# KiCad board HX711.kicad_pcb (continued)
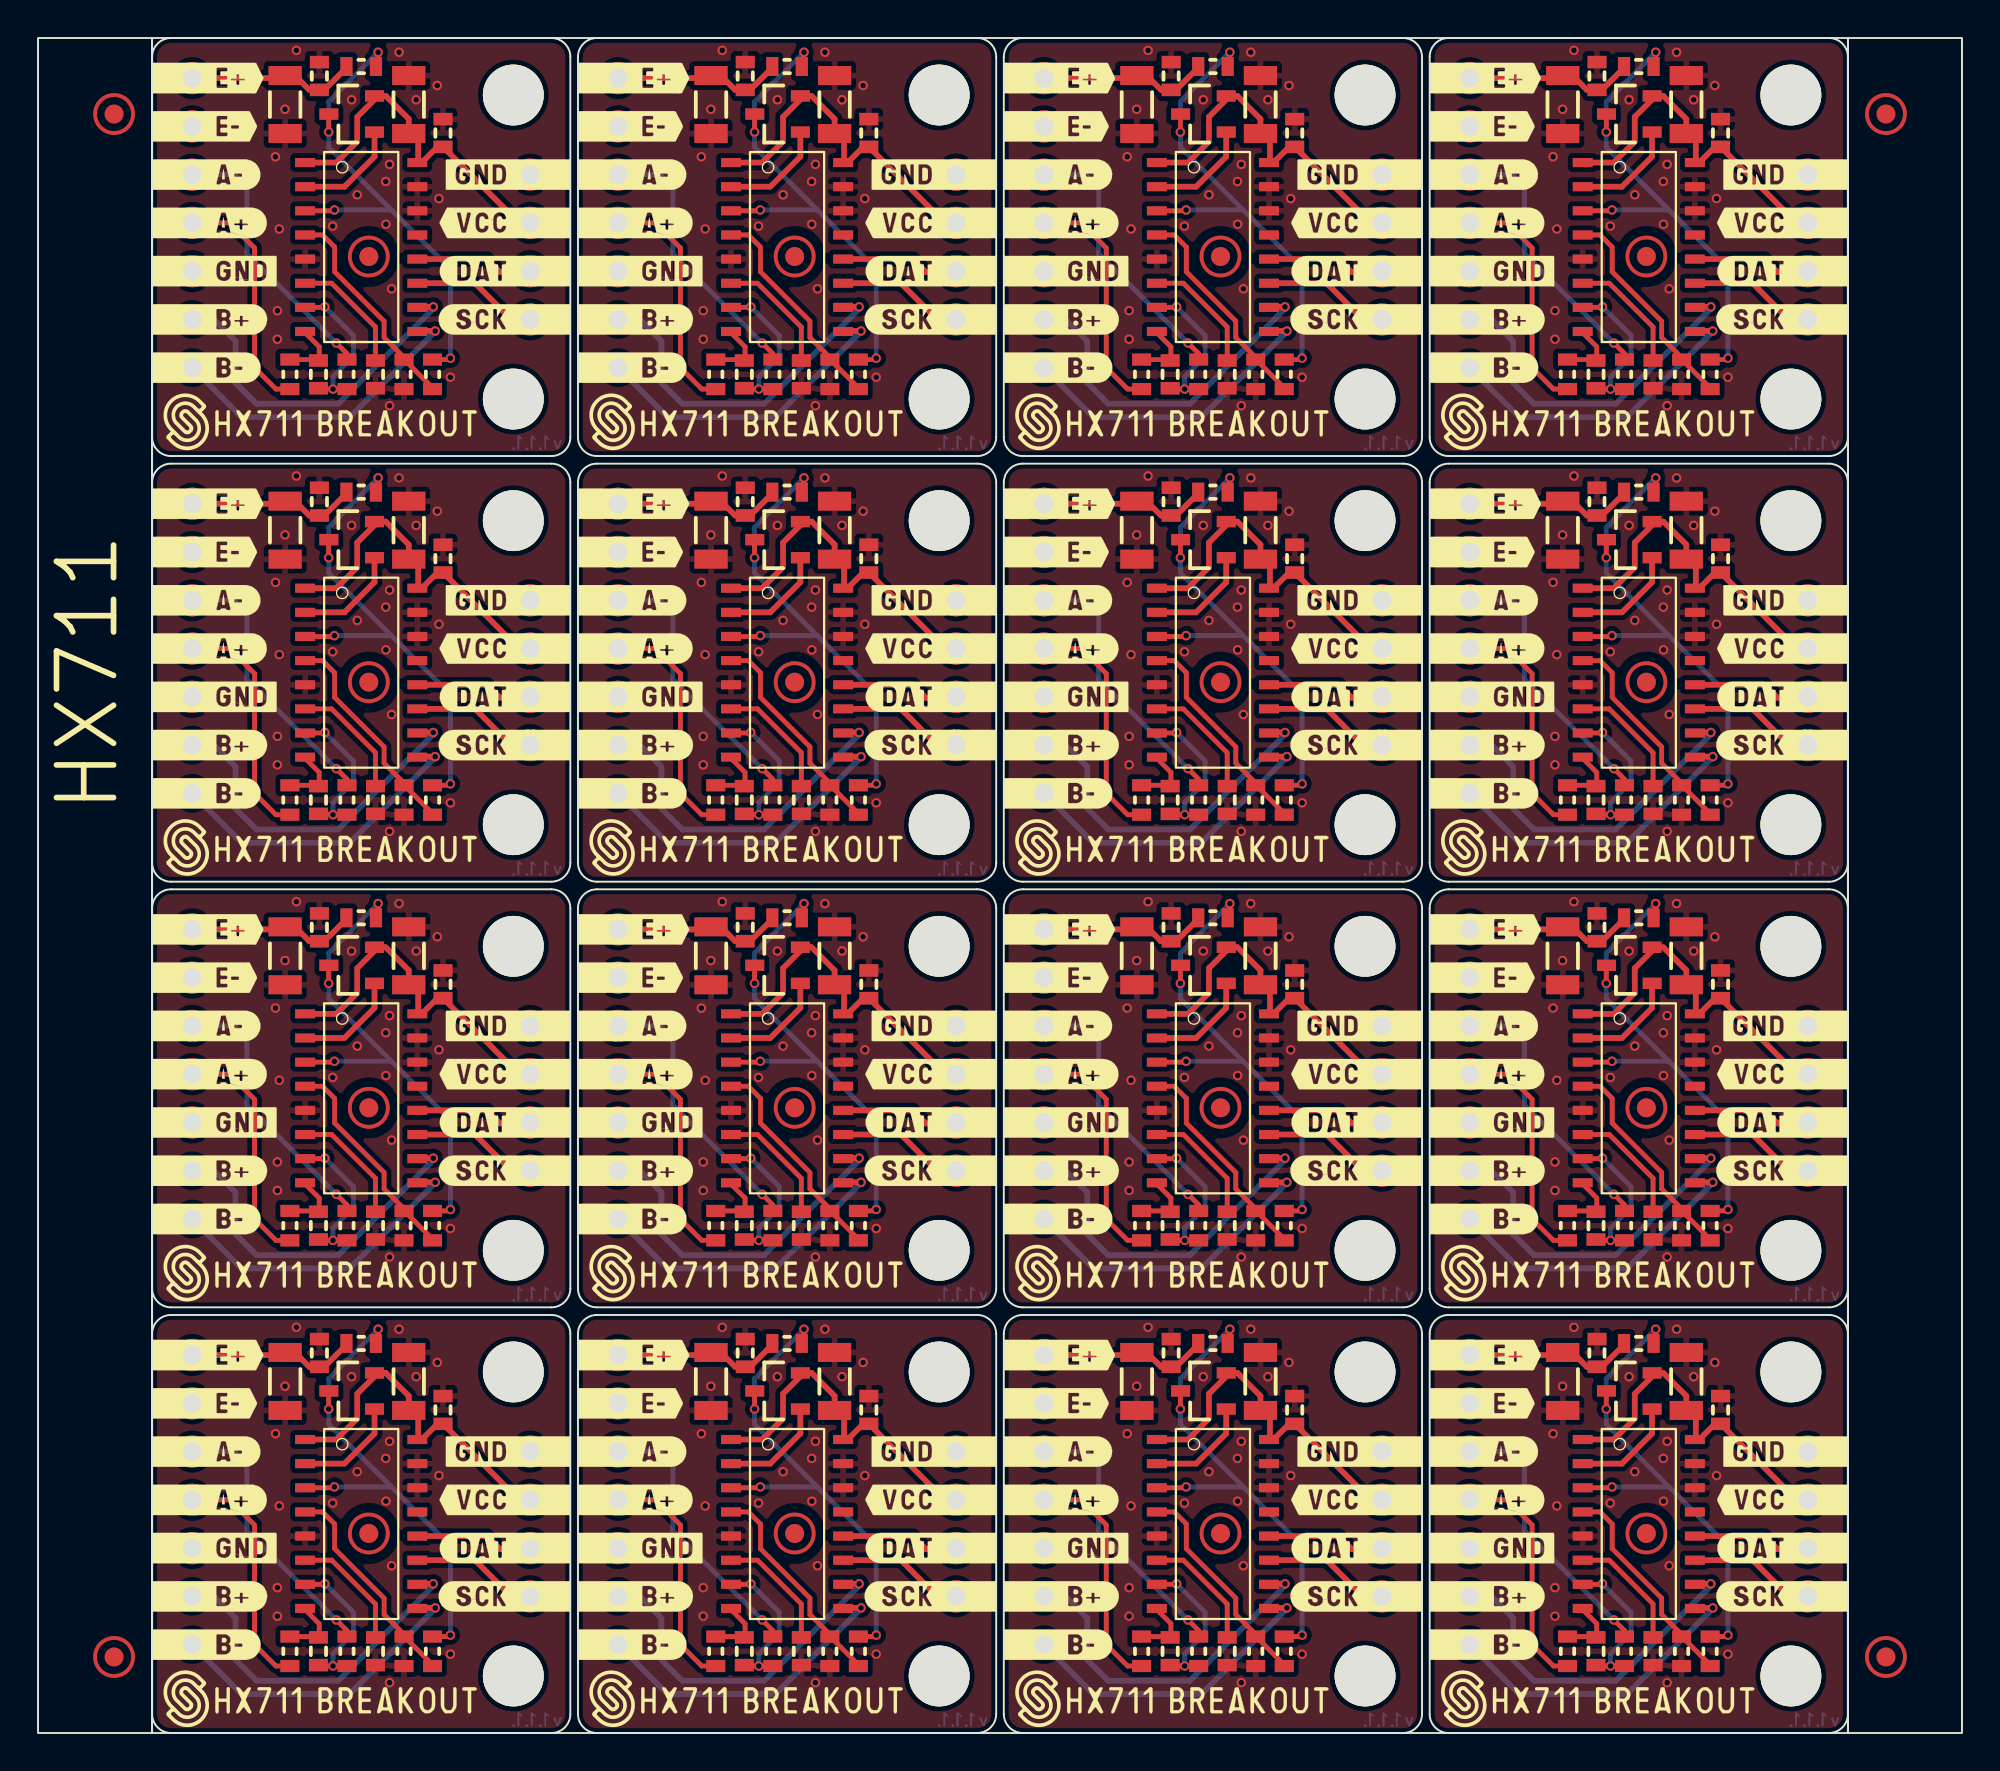
[diagram p0: board, top side]
## Routing (per net, layer and track width the routed paths; a pad name or vN(x,y) marks a point on that pad's centre or on a via; arc(x,y) is an arc through that point) (continued)
Net-(K1-Pad2): length 199.2
  Top w0.254: R2#6.2 57.31,48.33 56.19,49.45 56.19,55.75 54.87,57.07 K1#12.2 ; K1#5.2 54.87,34.67 56.19,33.35 56.19,27.05 57.31,25.93 R2#16.2 ; K1.2 32.47,34.67 33.79,33.35 33.79,27.05 34.92,25.93 R2#10.2 ; K1#11.2 77.27,79.47 78.59,78.15 78.59,71.85 79.72,70.73 R2#5.2 ; R2#3.2 57.31,70.73 56.19,71.85 56.19,78.15 54.87,79.47 K1#10.2 ; K1#3.2 54.87,12.27 56.19,10.95 56.19,4.65 57.31,3.53 R2#12.2 ; R2#4.2 79.72,3.53 78.59,4.65 78.59,10.95 77.27,12.27 K1#6.2 ; K1#7.2 32.47,79.47 33.79,78.15 33.79,71.85 34.92,70.73 R2#7.2 ; R2#15.2 34.92,48.33 33.79,49.45 33.79,55.75 32.47,57.07 K1#15.2 ; R2#9.2 12.52,25.93 11.39,27.05 11.39,33.35 10.07,34.67 K1#16.2 ; R2#13.2 12.52,48.33 11.39,49.45 11.39,55.75 10.07,57.07 K1#8.2 ; R2#2.2 79.72,25.93 78.59,27.05 78.59,33.35 77.27,34.67 K1#13.2 ; R2.2 12.52,3.53 11.39,4.65 11.39,10.95 10.07,12.27 K1#2.2 ; K1#4.2 32.47,12.27 33.79,10.95 33.79,4.65 34.92,3.53 R2#14.2 ; K1#9.2 10.07,79.47 11.39,78.15 11.39,71.85 12.52,70.73 R2#8.2 ; K1#14.2 77.27,57.07 78.59,55.75 78.59,49.45 79.72,48.33 R2#11.2
Net-(K1-Pad3): length 230.5
  Top w0.254: v1(38.09,73.15) 38.65,72.59 R1#4.2 ; v1(60.49,5.95) 61.05,5.39 R1#13.2 ; v1(82.89,73.15) 83.45,72.59 R1#9.2 ; v1(60.49,73.15) 61.05,72.59 R1#2.2 ; R1.2 38.65,27.79 v1(38.09,28.35) ; v1(38.09,5.95) 38.65,5.39 R1#6.2 ; v1(82.89,28.35) 83.45,27.79 R1#3.2 ; R1#7.2 61.05,27.79 v1(60.49,28.35) ; R1#5.2 16.25,5.39 v1(15.69,5.95) ; R1#14.2 16.25,27.79 v1(15.69,28.35) ; R1#16.2 83.45,50.19 v1(82.89,50.75) ; v1(38.09,50.75) 38.65,50.19 R1#15.2 ; R1#8.2 61.05,50.19 v1(60.49,50.75) ; v1(15.69,50.75) 16.25,50.19 R1#10.2 ; v1(82.89,5.95) 83.45,5.39 R1#12.2 ; v1(15.69,73.15) 16.25,72.59 R1#11.2
  Bottom w0.254: v1(82.89,73.15) 78.19,77.85 78.19,81.35 77.53,82.01 K1#11.3 ; K1#13.3 77.53,37.21 78.19,36.55 78.19,33.05 v1(82.89,28.35) ; K1#5.3 55.13,37.21 55.79,36.55 55.79,33.05 v1(60.49,28.35) ; v1(60.49,50.75) 55.79,55.45 55.79,58.95 55.13,59.61 K1#12.3 ; K1#3.3 55.13,14.81 55.79,14.15 55.79,10.65 v1(60.49,5.95) ; v1(38.09,50.75) 33.39,55.45 33.39,58.95 32.73,59.61 K1#15.3 ; K1#10.3 55.13,82.01 55.79,81.35 55.79,77.85 v1(60.49,73.15) ; K1#7.3 32.73,82.01 33.39,81.35 33.39,77.85 v1(38.09,73.15) ; v1(82.89,5.95) 78.19,10.65 78.19,14.15 77.53,14.81 K1#6.3 ; K1#2.3 10.33,14.81 10.99,14.15 10.99,10.65 v1(15.69,5.95) ; K1#9.3 10.33,82.01 10.99,81.35 10.99,77.85 v1(15.69,73.15) ; K1#14.3 77.53,59.61 78.19,58.95 78.19,55.45 v1(82.89,50.75) ; v1(38.09,5.95) 33.39,10.65 33.39,14.15 32.73,14.81 K1#4.3 ; K1#16.3 10.33,37.21 10.99,36.55 10.99,33.05 v1(15.69,28.35) ; K1.3 32.73,37.21 33.39,36.55 33.39,33.05 v1(38.09,28.35) ; v1(15.69,50.75) 10.99,55.45 10.99,58.95 10.33,59.61 K1#8.3
Net-(K2-Pad1): length 267.2
  Top w0.3: v1(65.69,28.98) 64.78,28.98 U1#4.9 ; U1#14.9 87.18,28.98 v1(88.09,28.98) ; v1(43.29,28.98) 42.38,28.98 U1#8.9 ; 87.15,73.76 87.18,73.78 v1(88.09,73.78) ; v1(65.69,73.78) 64.78,73.78 64.75,73.76 ; v1(88.09,51.38) 87.18,51.38 U1#7.9 ; v1(88.09,6.58) 87.18,6.58 U1.9 ; v1(43.29,6.58) 42.38,6.58 U1#16.9 ; U1#13.9 19.97,51.38 v1(20.89,51.38) ; 19.95,73.76 19.97,73.78 v1(20.89,73.78) ; v1(65.69,51.38) 64.78,51.38 U1#10.9 ; U1#3.9 64.78,6.58 v1(65.69,6.58) ; U1#12.9 19.97,28.98 v1(20.89,28.98) ; 42.35,73.76 42.38,73.78 v1(43.29,73.78) ; U1#6.9 42.38,51.38 v1(43.29,51.38) ; v1(20.89,6.58) 19.97,6.58 U1#2.9
  Bottom w0.3: v1(20.89,73.78) 20.89,73.75 16.39,69.25 10.71,69.25 K2#11.1 ; v1(65.69,51.38) 65.69,51.35 61.19,46.85 55.51,46.85 K2#3.1 ; v1(43.29,51.38) 43.29,51.35 38.79,46.85 33.11,46.85 K2#6.1 ; K2#5.1 55.51,2.05 61.19,2.05 65.69,6.55 v1(65.69,6.58) ; v1(88.09,6.58) 88.09,6.55 83.59,2.05 77.91,2.05 K2#13.1 ; v1(88.09,73.78) 88.09,73.75 83.59,69.25 77.91,69.25 K2#7.1 ; v1(20.89,51.38) 20.89,51.35 16.39,46.85 10.71,46.85 K2#8.1 ; K2#10.1 33.11,2.05 38.79,2.05 43.29,6.55 v1(43.29,6.58) ; K2#14.1 10.71,24.45 16.39,24.45 20.89,28.95 v1(20.89,28.98) ; K2#15.1 33.11,24.45 38.79,24.45 43.29,28.95 v1(43.29,28.98) ; v1(65.69,28.98) 65.69,28.95 61.19,24.45 55.51,24.45 K2#2.1 ; v1(88.09,51.38) 88.09,51.35 83.59,46.85 77.91,46.85 K2.1 ; K2#9.1 55.51,69.25 61.19,69.25 65.69,73.75 v1(65.69,73.78) ; K2#4.1 10.71,2.05 16.39,2.05 20.89,6.55 v1(20.89,6.58) ; v1(88.09,28.98) 88.09,28.95 83.59,24.45 77.91,24.45 K2#12.1 ; K2#16.1 33.11,69.25 38.79,69.25 43.29,73.75 v1(43.29,73.78)
Net-(K2-Pad2): length 301.3
  Top w0.3: v1(43.19,52.65) 42.38,52.65 42.35,52.62 ; v1(20.79,7.85) 19.97,7.85 U1#2.10 ; U1.10 87.18,7.85 v1(87.99,7.85) ; U1#14.10 87.18,30.25 v1(87.99,30.25) ; v1(65.59,30.25) 64.78,30.25 U1#4.10 ; U1#16.10 42.38,7.85 v1(43.19,7.85) ; v1(43.19,75.05) 42.38,75.05 U1#11.10 ; v1(20.79,30.25) 19.97,30.25 U1#12.10 ; v1(65.59,7.85) 64.78,7.85 U1#3.10 ; U1#15.10 64.78,75.05 v1(65.59,75.05) ; v1(65.59,52.65) 64.78,52.65 64.75,52.62 ; 19.95,52.62 19.97,52.65 v1(20.79,52.65) ; U1#5.10 87.18,75.05 v1(87.99,75.05) ; v1(43.19,30.25) 42.38,30.25 U1#8.10 ; U1#9.10 19.97,75.05 v1(20.79,75.05) ; v1(87.99,52.65) 87.18,52.65 87.15,52.62
  Bottom w0.3: v1(65.59,52.65) 65.59,52.55 60.59,47.55 56.29,47.55 55.19,48.65 55.19,50.85 54.05,51.99 K2#3.2 ; K2#6.2 31.65,51.99 32.79,50.85 32.79,48.65 33.89,47.55 38.19,47.55 43.19,52.55 v1(43.19,52.65) ; v1(65.59,30.25) 65.59,30.15 60.59,25.15 56.29,25.15 55.19,26.25 55.19,28.45 54.05,29.59 K2#2.2 ; v1(65.59,7.85) 65.59,7.75 60.59,2.75 56.29,2.75 55.19,3.85 55.19,6.05 54.05,7.19 K2#5.2 ; v1(20.79,30.25) 20.79,30.15 15.79,25.15 11.49,25.15 10.39,26.25 10.39,28.45 9.25,29.59 K2#14.2 ; K2#15.2 31.65,29.59 32.79,28.45 32.79,26.25 33.89,25.15 38.19,25.15 43.19,30.15 v1(43.19,30.25) ; K2#4.2 9.25,7.19 10.39,6.05 10.39,3.85 11.49,2.75 15.79,2.75 20.79,7.75 v1(20.79,7.85) ; K2#16.2 31.65,74.39 32.79,73.25 32.79,71.05 33.89,69.95 38.19,69.95 43.19,74.95 v1(43.19,75.05) ; v1(87.99,7.85) 87.99,7.75 82.99,2.75 78.69,2.75 77.59,3.85 77.59,6.05 76.45,7.19 K2#13.2 ; K2#7.2 76.45,74.39 77.59,73.25 77.59,71.05 78.69,69.95 82.99,69.95 87.99,74.95 v1(87.99,75.05) ; K2#11.2 9.25,74.39 10.39,73.25 10.39,71.05 11.49,69.95 15.79,69.95 20.79,74.95 v1(20.79,75.05) ; v1(87.99,52.65) 87.99,52.55 82.99,47.55 78.69,47.55 77.59,48.65 77.59,50.85 76.45,51.99 K2.2 ; K2#10.2 31.65,7.19 32.79,6.05 32.79,3.85 33.89,2.75 38.19,2.75 43.19,7.75 v1(43.19,7.85) ; v1(20.79,52.65) 20.79,52.55 15.79,47.55 11.49,47.55 10.39,48.65 10.39,50.85 9.25,51.99 K2#8.2 ; v1(65.59,75.05) 65.59,74.95 60.59,69.95 56.29,69.95 55.19,71.05 55.19,73.25 54.05,74.39 K2#9.2 ; v1(87.99,30.25) 87.99,30.15 82.99,25.15 78.69,25.15 77.59,26.25 77.59,28.45 76.45,29.59 K2#12.2
Net-(K3-Pad1): length 108
  Top w0.3: K3#8.1 25.88,7.18 24.9,7.18 22.98,9.09 U1#2.11 ; 26.49,51.98 26.5,51.99 ; 93.69,74.38 93.7,74.39 ; K3#9.1 48.28,29.58 47.3,29.58 45.39,31.5 U1#8.11 ; U1#6.11 45.39,53.9 47.3,51.98 48.28,51.98 K3#3.1 ; K3#14.1 48.28,74.38 47.3,74.38 45.39,76.3 U1#11.11 ; U1#15.11 67.78,76.3 69.7,74.38 70.68,74.38 K3#16.1 ; U1#16.11 45.39,9.09 47.3,7.18 48.28,7.18 K3#10.1 ; U1#14.11 90.19,31.5 92.1,29.58 93.08,29.58 K3#11.1 ; K3#4.1 25.88,74.38 24.9,74.38 22.98,76.3 U1#9.11 ; U1#13.11 22.98,53.9 24.9,51.98 25.88,51.98 K3#13.1 ; 93.69,29.58 93.7,29.59 ; 26.49,74.38 26.5,74.39 ; K3.1 70.68,51.98 69.7,51.98 67.78,53.9 U1#10.11 ; U1#3.11 67.78,9.09 69.7,7.18 70.68,7.18 K3#7.1 ; U1.11 90.19,9.09 92.1,7.18 93.08,7.18 K3#6.1 ; 48.89,74.38 48.9,74.39 ; 48.89,51.98 48.9,51.99 ; 93.69,51.98 93.7,51.99 ; U1#5.11 90.19,76.3 92.1,74.38 93.08,74.38 K3#15.1 ; 71.29,74.38 71.3,74.39 ; U1#4.11 67.78,31.5 69.7,29.58 70.68,29.58 K3#12.1 ; K3#2.1 93.08,51.98 92.1,51.98 90.19,53.9 U1#7.11 ; 48.89,29.58 48.9,29.59 ; 26.49,29.58 26.5,29.59 ; 93.69,7.18 93.7,7.19 ; U1#12.11 22.98,31.5 24.9,29.58 25.88,29.58 K3#5.1 ; 48.89,7.18 48.9,7.19 ; 71.29,51.98 71.3,51.99 ; 26.49,7.18 26.5,7.19 ; 71.29,29.58 71.3,29.59 ; 71.29,7.18 71.3,7.19
Net-(K3-Pad2): length 101
  Top w0.3: 26.45,54.48 26.5,54.53 ; 48.85,32.08 48.9,32.13 ; K3#10.2 48.24,9.68 46.7,9.68 46.02,10.37 U1#16.12 ; U1#7.12 90.81,55.17 91.5,54.48 93.04,54.48 K3#2.2 ; U1#5.12 90.81,77.57 91.5,76.88 93.04,76.88 K3#15.2 ; 71.25,9.68 71.3,9.73 ; K3#11.2 93.04,32.08 91.5,32.08 90.81,32.77 U1#14.12 ; 48.85,9.68 48.9,9.73 ; U1#4.12 68.42,32.77 69.1,32.08 70.64,32.08 K3#12.2 ; K3.2 70.64,54.48 69.1,54.48 68.42,55.17 U1#10.12 ; 93.65,32.08 93.7,32.13 ; 71.25,32.08 71.3,32.13 ; U1#13.12 23.61,55.17 24.3,54.48 25.84,54.48 K3#13.2 ; U1.12 90.81,10.37 91.5,9.68 93.04,9.68 K3#6.2 ; U1#15.12 68.42,77.57 69.1,76.88 70.64,76.88 K3#16.2 ; K3#7.2 70.64,9.68 69.1,9.68 68.42,10.37 U1#3.12 ; 26.45,9.68 26.5,9.73 ; U1#6.12 46.02,55.17 46.7,54.48 48.24,54.48 K3#3.2 ; 48.85,76.88 48.9,76.93 ; U1#11.12 46.02,77.57 46.7,76.88 48.24,76.88 K3#14.2 ; U1#8.12 46.02,32.77 46.7,32.08 48.24,32.08 K3#9.2 ; 93.65,76.88 93.7,76.93 ; 93.65,9.68 93.7,9.73 ; K3#4.2 25.84,76.88 24.3,76.88 23.61,77.57 U1#9.12 ; U1#2.12 23.61,10.37 24.3,9.68 25.84,9.68 K3#8.2 ; 26.45,76.88 26.5,76.93 ; 93.65,54.48 93.7,54.53 ; 71.25,54.48 71.3,54.53 ; 71.25,76.88 71.3,76.93 ; 26.45,32.08 26.5,32.13 ; 48.85,54.48 48.9,54.53 ; U1#12.12 23.61,32.77 24.3,32.08 25.84,32.08 K3#5.2
Net-(Q1-Pad1): length 89.5
  Top w0.3: Q1#2.1 17.7,38.16 16.11,36.58 U1#12.2 ; Q1#14.1 84.9,82.96 83.31,81.38 U1#5.2 ; Q1#7.1 84.9,38.16 83.31,36.58 U1#14.2 ; Q1#15.1 40.1,82.96 38.52,81.38 U1#11.2 ; U1#10.2 60.92,58.98 62.5,60.56 Q1#5.1 ; Q1#6.1 84.9,60.56 83.31,58.98 U1#7.2 ; Q1.1 40.1,15.76 38.52,14.18 U1#16.2 ; U1#8.2 38.52,36.58 40.1,38.16 Q1#13.1 ; Q1#8.1 17.7,82.96 16.11,81.38 U1#9.2 ; U1#4.2 60.92,36.58 62.5,38.16 Q1#4.1 ; Q1#3.1 62.5,82.96 60.92,81.38 U1#15.2 ; Q1#12.1 62.5,15.76 60.92,14.18 U1#3.2 ; U1#13.2 16.11,58.98 17.7,60.56 Q1#10.1 ; Q1#11.1 17.7,15.76 16.11,14.18 U1#2.2 ; Q1#9.1 40.1,60.56 38.52,58.98 U1#6.2 ; U1.2 83.31,14.18 84.9,15.76 Q1#16.1
Net-(Q1-Pad3): length 433.9
  Top w0.254: R3#16.2 66.42,5.08 v1(66.49,5.15) ; U1#10.3 60.34,57.71 v1(60.39,57.75) ; v1(37.99,57.75) 37.94,57.71 U1#6.3 ; v1(85.09,88.45) 85.09,87.84 84.95,87.7 ; U1#4.3 60.34,35.31 v1(60.39,35.35) ; v1(88.89,27.55) 88.81,27.48 R3#12.2 ; v1(60.09,61.85) 60.09,62.79 Q1#5.3 ; R3#7.2 88.81,5.08 v1(88.89,5.15) ; R3#2.2 44.02,72.28 v1(44.09,72.35) ; 62.55,42.9 62.69,43.04 v1(62.69,43.65) ; v1(37.99,35.35) 37.94,35.31 U1#8.3 ; Q1#15.3 37.69,85.19 v1(37.69,84.25) ; Q1#13.3 37.69,40.39 v1(37.69,39.45) ; v1(82.79,35.35) 82.75,35.31 U1#14.3 ; v1(15.59,12.95) 15.55,12.91 U1#2.3 ; v1(15.59,35.35) 15.55,35.31 U1#12.3 ; v1(60.09,84.25) 60.09,85.19 Q1#3.3 ; v1(17.89,88.45) 17.89,87.84 17.75,87.7 ; R3#11.2 44.02,5.08 v1(44.09,5.15) ; v1(60.09,39.45) 60.09,40.39 Q1#4.3 ; v1(40.29,66.05) 40.29,65.44 40.15,65.3 ; 17.75,20.5 17.89,20.64 v1(17.89,21.25) ; R3#8.2 21.61,72.28 v1(21.69,72.35) ; 62.55,20.5 62.69,20.64 v1(62.69,21.25) ; v1(40.29,88.45) 40.29,87.84 40.15,87.7 ; U1#3.3 60.34,12.91 v1(60.39,12.95) ; R3#3.2 66.42,27.48 v1(66.49,27.55) ; v1(44.09,27.55) 44.02,27.48 R3#9.2 ; Q1#10.3 15.29,62.79 v1(15.29,61.85) ; v1(82.49,17.05) 82.49,17.99 Q1#16.3 ; v1(82.49,39.45) 82.49,40.39 Q1#7.3 ; v1(88.89,72.35) 88.81,72.28 R3#14.2 ; 84.95,42.9 85.09,43.04 v1(85.09,43.65) ; v1(62.69,66.05) 62.69,65.44 62.55,65.3 ; 84.95,65.3 85.09,65.44 v1(85.09,66.05) ; v1(62.69,88.45) 62.69,87.84 62.55,87.7 ; Q1#2.3 15.29,40.39 v1(15.29,39.45) ; U1#16.3 37.94,12.91 v1(37.99,12.95) ; Q1#8.3 15.29,85.19 v1(15.29,84.25) ; v1(82.79,57.75) 82.75,57.71 U1#7.3 ; v1(15.59,80.15) 15.55,80.11 U1#9.3 ; v1(82.79,12.95) 82.75,12.91 U1.3 ; 17.75,65.3 17.89,65.44 v1(17.89,66.05) ; v1(40.29,43.65) 40.29,43.04 40.15,42.9 ; Q1#11.3 15.29,17.99 v1(15.29,17.05) ; R3#10.2 44.02,49.88 v1(44.09,49.95) ; v1(60.09,17.05) 60.09,17.99 Q1#12.3 ; v1(40.29,21.25) 40.29,20.64 40.15,20.5 ; R3#13.2 88.81,49.88 v1(88.89,49.95) ; v1(21.69,27.55) 21.61,27.48 R3#4.2 ; R3#5.2 21.61,5.08 v1(21.69,5.15) ; v1(15.59,57.75) 15.55,57.71 U1#13.3 ; v1(66.49,72.35) 66.42,72.28 R3#6.2 ; v1(82.49,84.25) 82.49,85.19 Q1#14.3 ; v1(37.99,80.15) 37.94,80.11 U1#11.3 ; v1(17.89,43.65) 17.89,43.04 17.75,42.9 ; Q1#9.3 37.69,62.79 v1(37.69,61.85) ; v1(37.69,17.05) 37.69,17.99 Q1.3 ; v1(85.09,21.25) 85.09,20.64 84.95,20.5 ; R3.2 21.61,49.88 v1(21.69,49.95) ; Q1#6.3 82.49,62.79 v1(82.49,61.85) ; v1(66.49,49.95) 66.42,49.88 R3#15.2 ; U1#15.3 60.34,80.11 v1(60.39,80.15) ; v1(82.79,80.15) 82.75,80.11 U1#5.3
  Bottom w0.254: v1(85.09,66.05) 82.49,63.45 v1(82.49,61.85) 82.49,61.05 85.79,57.75 ; v1(88.89,49.95) 88.89,54.65 85.79,57.75 ; 40.99,80.15 37.69,83.45 v1(37.69,84.25) 37.69,85.85 v1(40.29,88.45) ; 40.99,80.15 44.09,77.05 v1(44.09,72.35) ; 40.99,80.15 v1(37.99,80.15) ; 40.99,35.35 44.09,32.25 v1(44.09,27.55) ; 40.99,35.35 v1(37.99,35.35) ; 40.99,35.35 37.69,38.65 v1(37.69,39.45) 37.69,41.05 v1(40.29,43.65) ; v1(21.69,72.35) 21.69,77.05 18.59,80.15 ; v1(82.79,80.15) 85.79,80.15 ; 85.79,80.15 82.49,83.45 v1(82.49,84.25) 82.49,85.85 v1(85.09,88.45) ; 85.79,80.15 88.89,77.05 v1(88.89,72.35) ; v1(85.09,43.65) 82.49,41.05 v1(82.49,39.45) 82.49,38.65 85.79,35.35 ; v1(44.09,5.15) 44.09,9.85 40.99,12.95 ; 63.39,80.15 60.09,83.45 v1(60.09,84.25) 60.09,85.85 v1(62.69,88.45) ; 63.39,80.15 66.49,77.05 v1(66.49,72.35) ; 63.39,80.15 v1(60.39,80.15) ; v1(44.09,49.95) 44.09,54.65 40.99,57.75 ; v1(40.29,21.25) 37.69,18.65 v1(37.69,17.05) 37.69,16.25 40.99,12.95 ; v1(21.69,27.55) 21.69,32.25 18.59,35.35 ; v1(15.59,35.35) 18.59,35.35 ; 18.59,35.35 15.29,38.65 v1(15.29,39.45) 15.29,41.05 v1(17.89,43.65) ; 63.39,57.75 66.49,54.65 v1(66.49,49.95) ; 63.39,57.75 60.09,61.05 v1(60.09,61.85) 60.09,63.45 v1(62.69,66.05) ; 63.39,57.75 v1(60.39,57.75) ; v1(60.39,35.35) 63.39,35.35 ; 63.39,35.35 66.49,32.25 v1(66.49,27.55) ; 63.39,35.35 60.09,38.65 v1(60.09,39.45) 60.09,41.05 v1(62.69,43.65) ; v1(82.79,12.95) 85.79,12.95 ; 85.79,12.95 82.49,16.25 v1(82.49,17.05) 82.49,18.65 v1(85.09,21.25) ; 85.79,12.95 88.89,9.85 v1(88.89,5.15) ; 18.59,12.95 21.69,9.85 v1(21.69,5.15) ; 18.59,12.95 15.29,16.25 v1(15.29,17.05) 15.29,18.65 v1(17.89,21.25) ; 18.59,12.95 v1(15.59,12.95) ; 18.59,80.15 15.29,83.45 v1(15.29,84.25) 15.29,85.85 v1(17.89,88.45) ; 18.59,80.15 v1(15.59,80.15) ; v1(40.29,66.05) 37.69,63.45 v1(37.69,61.85) 37.69,61.05 40.99,57.75 ; v1(82.79,35.35) 85.79,35.35 ; 85.79,35.35 88.89,32.25 v1(88.89,27.55) ; v1(15.59,57.75) 18.59,57.75 ; 18.59,57.75 21.69,54.65 v1(21.69,49.95) ; 18.59,57.75 15.29,61.05 v1(15.29,61.85) 15.29,63.45 v1(17.89,66.05) ; 85.79,57.75 v1(82.79,57.75) ; 40.99,57.75 v1(37.99,57.75) ; 63.39,12.95 66.49,9.85 v1(66.49,5.15) ; 63.39,12.95 v1(60.39,12.95) ; 63.39,12.95 60.09,16.25 v1(60.09,17.05) 60.09,18.65 v1(62.69,21.25) ; 40.99,12.95 v1(37.99,12.95)
Net-(R3-Pad1): length 182.9
  Top w0.254: R3#12.1 87.95,25.99 86.47,27.48 R4#11.2 86.45,27.59 85.4,28.64 85.4,29.5 82.8,32.1 82.8,33.4 82.16,34.04 U1#14.4 ; U1#12.4 14.97,34.04 15.6,33.4 15.6,32.1 18.2,29.5 18.2,28.64 19.25,27.59 R4#10.2 19.27,27.48 20.75,25.99 R3#4.1 ; U1#7.4 82.16,56.44 82.8,55.8 82.8,54.5 85.4,51.9 85.4,51.04 86.45,49.99 R4#4.2 86.47,49.88 87.95,48.39 R3#13.1 ; R3#7.1 87.95,3.59 86.47,5.08 R4#15.2 86.45,5.19 85.4,6.24 85.4,7.1 82.8,9.7 82.8,11 82.16,11.64 81.25,11.64 ; R3#9.1 43.15,25.99 41.67,27.48 R4#2.2 41.65,27.59 40.6,28.64 40.6,29.5 38,32.1 38,33.4 37.36,34.04 U1#8.4 ; R3#8.1 20.75,70.79 19.27,72.28 R4#6.2 19.25,72.39 18.2,73.44 18.2,74.3 15.6,76.9 15.6,78.2 14.97,78.84 U1#9.4 ; U1#13.4 14.97,56.44 15.6,55.8 15.6,54.5 18.2,51.9 18.2,51.04 19.25,49.99 R4#16.2 19.27,49.88 20.75,48.39 R3.1 ; U1#5.4 82.16,78.84 82.8,78.2 82.8,76.9 85.4,74.3 85.4,73.44 86.45,72.39 R4#9.2 86.47,72.28 87.95,70.79 R3#14.1 ; U1#4.4 59.77,34.04 60.4,33.4 60.4,32.1 63,29.5 63,28.64 64.05,27.59 R4#12.2 64.06,27.48 65.55,25.99 R3#3.1 ; 14.05,11.64 14.97,11.64 15.6,11 15.6,9.7 18.2,7.1 18.2,6.24 19.25,5.19 R4#13.2 19.27,5.08 20.75,3.59 R3#5.1 ; R3#16.1 65.55,3.59 64.06,5.08 R4.2 64.05,5.19 63,6.24 63,7.1 60.4,9.7 60.4,11 59.77,11.64 58.85,11.64 ; 36.45,11.64 37.36,11.64 38,11 38,9.7 40.6,7.1 40.6,6.24 41.65,5.19 R4#7.2 41.67,5.08 43.15,3.59 R3#11.1 ; R3#10.1 43.15,48.39 41.67,49.88 R4#3.2 41.65,49.99 40.6,51.04 40.6,51.9 38,54.5 38,55.8 37.36,56.44 U1#6.4 ; R3#15.1 65.55,48.39 64.06,49.88 R4#5.2 64.05,49.99 63,51.04 63,51.9 60.4,54.5 60.4,55.8 59.77,56.44 U1#10.4 ; U1#11.4 37.36,78.84 38,78.2 38,76.9 40.6,74.3 40.6,73.44 41.65,72.39 R4#14.2 41.67,72.28 43.15,70.79 R3#2.1 ; U1#15.4 59.77,78.84 60.4,78.2 60.4,76.9 63,74.3 63,73.44 64.05,72.39 R4#8.2 64.06,72.28 65.55,70.79 R3#6.1

## Copper pours and planes (outline as drawn; the poured copper is in the pictures)
GND on Top, Bottom: 50.4,0 28.4,0 28.4,22 50.4,22
GND on Top, Bottom: 50.4,67.2 28.4,67.2 28.4,89.2 50.4,89.2
GND on Top, Bottom: 95.2,67.2 73.2,67.2 73.2,89.2 95.2,89.2
GND on Top, Bottom: 72.8,22.4 50.8,22.4 50.8,44.4 72.8,44.4
GND on Top, Bottom: 28,22.4 6,22.4 6,44.4 28,44.4
GND on Top, Bottom: 28,67.2 6,67.2 6,89.2 28,89.2
GND on Top, Bottom: 95.2,44.8 73.2,44.8 73.2,66.8 95.2,66.8
GND on Top, Bottom: 28,0 6,0 6,22 28,22
GND on Top, Bottom: 28,44.8 6,44.8 6,66.8 28,66.8
GND on Top, Bottom: 72.8,0 50.8,0 50.8,22 72.8,22
GND on Top, Bottom: 50.4,22.4 28.4,22.4 28.4,44.4 50.4,44.4
GND on Top, Bottom: 95.2,22.4 73.2,22.4 73.2,44.4 95.2,44.4
GND on Top, Bottom: 50.4,44.8 28.4,44.8 28.4,66.8 50.4,66.8
GND on Top, Bottom: 72.8,44.8 50.8,44.8 50.8,66.8 72.8,66.8
GND on Top, Bottom: 95.2,0 73.2,0 73.2,22 95.2,22
GND on Top, Bottom: 72.8,67.2 50.8,67.2 50.8,89.2 72.8,89.2

## Text on the board
F.Silkscreen: HX711
User.8: V-CUT
